# Altium PCB PCB2.PcbDoc (part 2 of 2)
Units mm, origin at the board's own origin, x right, y up, seen from the top; angles counter-clockwise.
Board outline 87 x 91.25 mm, 2 copper layers (Top Layer, Bottom Layer); 176 components, 129 nets, 578 pads, 189 vias.
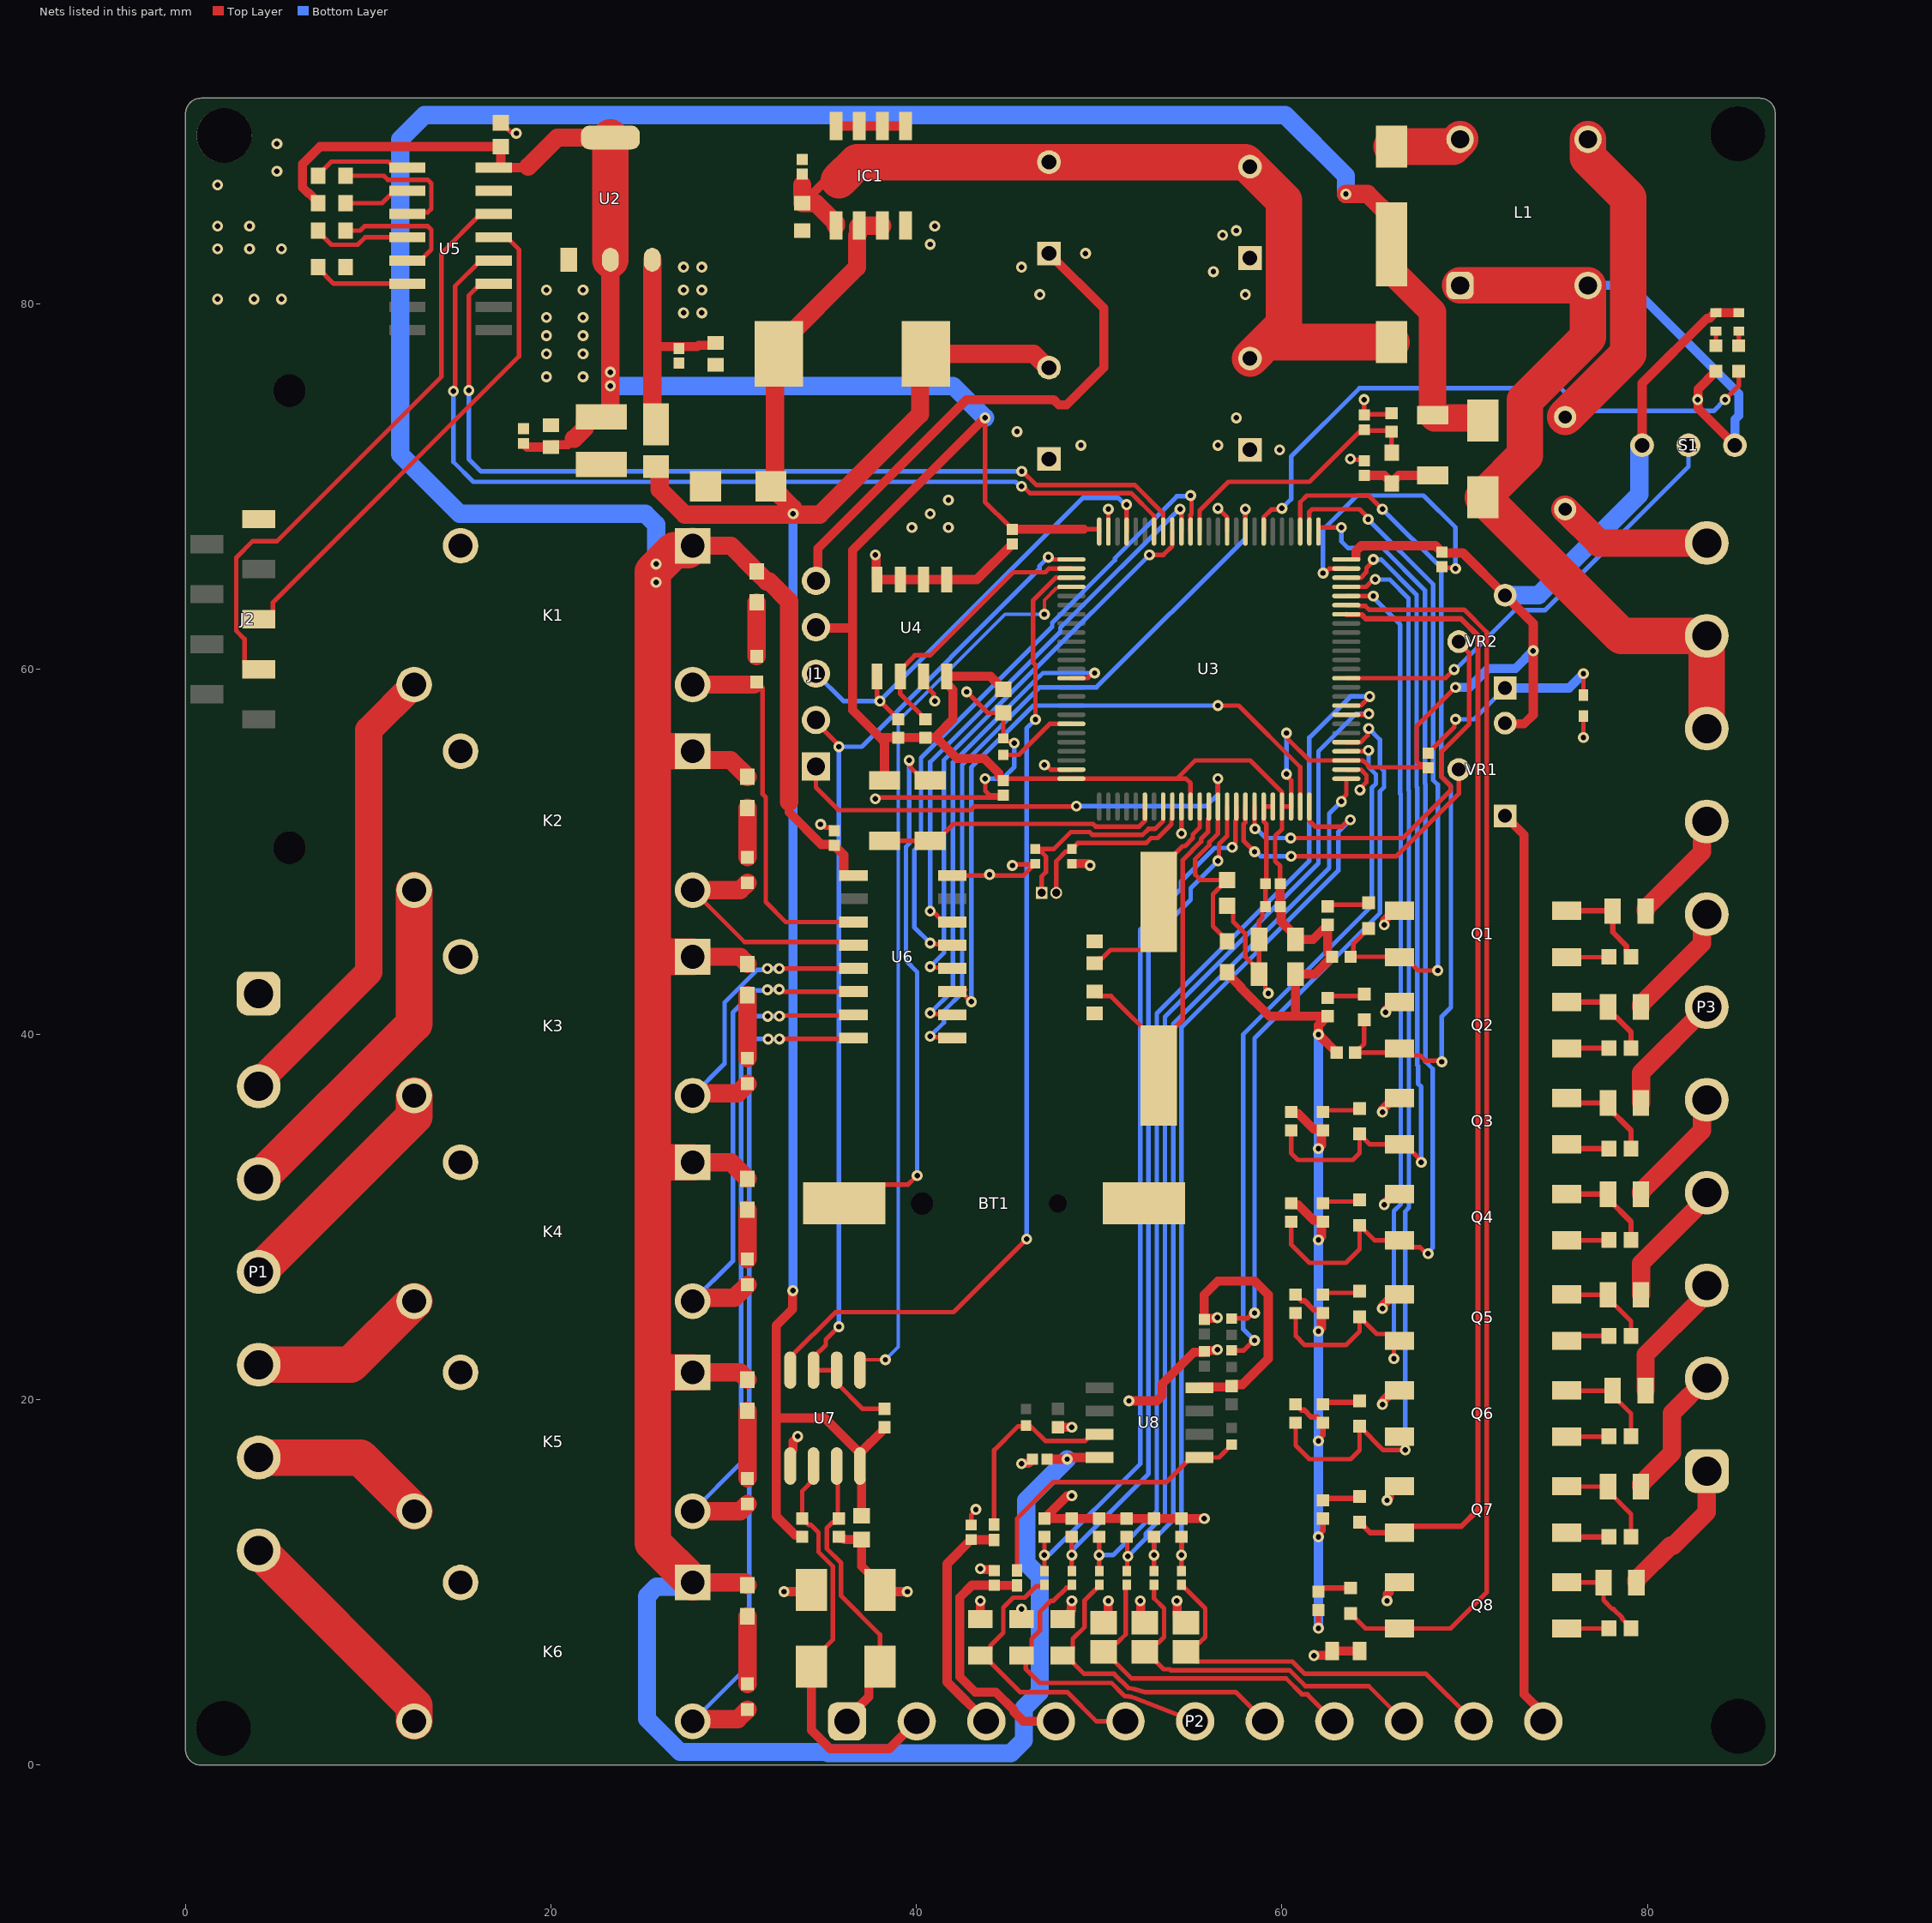
[diagram p2: the nets of this part, all layers, seen from the top]

## Via types
v1: diameter 0.6, hole 0.3, Top Layer to Bottom Layer, 142 vias
v2: diameter 0.6, hole 0.3, Top Layer to Bottom Layer, tented both sides, 47 vias

## Nets (pads, with @x,y where several pads share a name; then routed paths per layer and width w, separated by ;. In a path a pad name is that pad's centre, name@x,y a point inside that pad or via, vN(x,y) a via of type N, cw(c..) or ccw(c..) an arc to the next point about the centre after c; other vN are vias at no path point) (continued)
+3V3: C11.1 C12.1 C13.2 C17.2 C20.1 C21.1 C22.1 C23.1 C24.1 C25.1 C26.1 C30.2 D10.2 J1.4 R3.1 R4.1 R6.1 R8.1 R9.2 R12.1 R12.2 R50.2 R51.2 R52.2 R53.1 R54.1 R55.1 R62.2 R63.2 R64.2 R65.1 R66.1 R67.1 R72.2 R73.2 S1.2 U2.2 U2.4 U3.11 U3.21 U3.22 U3.28 U3.50 U3.75 U3.100 U4.8 U5.16 VR1.3 VR2.3 | length 274.7
  Top Layer w0.25: v1(43.75,73.75) 43.75,69.15 45.072,67.828 C24.1@45.25,67.65 ; C25.1@44.75,53.9 44.85,54 U3.100@48.475,54 54.25,54 ; 49.15,67.65 50,67.65 U3.75@50,67.525 ; U3.11@55,52.475 55,53.75 54.75,54 54.25,54 ; C20.1@59.9,48.25 59.9,49.216 59.625,49.491 59.625,50.858 60,51.233 U3.21@60,52.475 ; v1(60.25,54.25) 60.25,54.155 60.5,53.905 U3.22@60.5,52.475 U3.21@60,52.475 ; v1(60.25,56.5) 60.317,56.433 60.317,56.183 61.5,55 U3.28@63.525,55 64.401,55 64.451,54.95 64.498,54.95 64.823,54.625 67.975,54.625 C23.1@68,54.6 67.828,54.772 67.562,54.772 67.372,54.963 67.372,56.872 v1(69.5,59) ; U3.50@63.525,66 63.925,66 U3.50@64.05,66.125 ; 54.25,54 55.25,55 58.261,55 60,53.261 U3.21@60,52.475
  Top Layer w0.3: R67.1@60.75,19.754 60.754,19.754 61.078,19.429 61.231,19.429 61.593,19.067 61.926,19.067 R64.2@62.246,18.746 ; R66.1@60.75,25.754 60.754,25.754 61.078,25.429 61.231,25.429 61.731,24.929 62.067,24.929 R63.2@62.25,24.746 ; v2(62,7.5) R73.2@62,8.496 ; v2(62,12.5) 62,12.564 62.25,12.814 R72.2@62.25,13.496 ; v2(62,17.75) 62,17.818 62.246,18.064 R64.2@62.246,18.746 ; R64.2@62.25,18.746 R64.2@62.246,18.746
  Top Layer w0.5: C26.1@7.25,85.5 7.25,85.55 6.746,86.054 6.71,86.054 6.4,86.364 6.4,87.636 7.364,88.6 C30.2@17.25,88.6 17.25,87.474 U5.16@17.221,87.445 ; U5.16@16.862,87.445 U5.16@17.221,87.445 ; C12.1@18.5,72.35 18.7,72.15 C11.1@20,72.15 20.125,72.275 20.925,72.275 21.25,72.6 ; 18.75,87.5 18.695,87.445 U5.16@17.221,87.445 ; J1.4@34.5,62.29 34.54,62.25 36.5,62.25 ; D10.2@38.25,53.9 38.25,56 38.004,56.246 ; 41.079,56.329 42,57.25 42,58.857 ; 41.955,58.9 41.655,59.2 U4.8@41.655,59.6 44.05,59.6 44.55,59.1 44.55,59.075 44.725,58.9 C17.2@44.75,58.9 ; v1(43.75,73.75) 36.5,66.5 36.5,62.25 ; C25.1@44.75,53.9 44.5,54.15 44.5,54.311 43.711,55.1 42.226,55.1 41.079,56.246 R9.2@40.5,56.246 R8.1@39,56.246 38.004,56.246 ; C24.1@45.25,67.65 49.15,67.65 ; R6.1@57,43.4 57,43.35 57.75,42.6 57.75,42.554 59.307,40.996 60.75,40.996 ; C20.1@59.9,48.25 C21.1@59.9,47 59.953,46.947 59.953,46.187 60.75,45.39 R12.2@60.75,45.25 ; R65.1@60.5,30.754 60.583,30.671 60.881,30.671 61.723,29.829 62.167,29.829 R62.2@62.25,29.746 R62.2@62.306,29.691 ; R55.1@60.5,35.754 60.583,35.671 60.881,35.671 61.723,34.829 62.164,34.829 R52.2@62.306,34.687 ; R12.2@60.75,45.2 61.704,45.2 62.414,45.91 62.414,45.914 62.496,45.996 R50.2@62.5,45.996 62.5,44.5 62.746,44.254 R53.1@62.746,44.25 ; v2(62,23.75) 62,23.777 62.164,23.941 62.164,24.664 62.246,24.746 R63.2@62.25,24.746 ; v2(62,28.75) 62,28.777 62.164,28.941 62.164,29.664 62.191,29.691 R62.2@62.306,29.691 ; v2(62,33.75) 62,33.777 62.164,33.941 62.164,34.664 62.187,34.687 R52.2@62.306,34.687 ; v1(62,40) 62.996,39.004 R54.1@62.996,39 ; v1@62,40.027 62,40.5 R51.2@62.496,40.996 ; R62.2@62.309,29.691 R62.2@62.306,29.691 ; R52.2@62.313,34.687 R52.2@62.306,34.687 ; R51.2@62.5,40.996 R51.2@62.496,40.996 ; R53.1@62.746,44.246 61.8,43.3 R12.1@60.75,43.3 60.75,40.996 ; U3.50@64.05,66.125 64.05,66.457 64.343,66.75 68.4,66.75 C22.1@68.75,66.4 68.797,66.353 69.902,66.353 VR2.3@72.215,64.04 72.215,64.035 73.75,62.5 v1(73.75,61) 73.75,57.5 73.25,57 72.255,57 VR1.3@72.215,57.04 ; S1.2@79.71,72.25 79.71,75.646 83.264,79.2 83.4,79.2 83.7,79.5 R3.1@83.75,79.5 R4.1@85,79.5 ; 36.5,62.25 36.5,57.75 38.004,56.246 ; 60.75,40.996 R51.2@62.496,40.996
  Top Layer w1: 18.75,87.5 20.345,89.095 U2.4@23.25,89.095 ; 21.25,72.6 21.264,72.6 21.85,73.186 21.85,73.6 22.05,73.8 C13.2@22.75,73.8 23.05,73.8 23.25,74 v1(23.25,75.5) v1(23.25,76.25) U2.2@23.25,82.405
  Top Layer w2: U2.2@23.25,82.405 U2.4@23.25,89.095
  Bottom Layer w0.25: v1(60.25,54.25) v1(60.25,56.5)
  Bottom Layer w0.5: v2(62,7.5) v2(62,12.5) v2(62,17.75) v2(62,23.75) v2(62,28.75) v2(62,33.75) v1(62,40) ; v1(69.5,59) 70.255,59 71.29,60.035 72.785,60.035 v1(73.75,61) ; S1.2@79.557,72.097 S1.2@79.71,72.25
  Bottom Layer w1: v1(23.25,75.5) 42,75.5 v1(43.75,73.75) ; VR2.3@72.215,64.04 74.04,64.04 79.557,69.557 S1.2@79.557,72.097
+5V: C8.2 C32.1 D7.1 D8.2 IC1.2 IC1.3 L2.1 L2.2 R20.2 R75.2 U7.8 | length 116.5
  Top Layer w0.5: v2(33.233,25.976) 33.214,25.957 33.214,24.964 32.32,24.07 32.32,19 ; R20.2@33.75,12.496 33.667,12.579 33.369,12.579 32.32,13.628 32.32,19 ; C32.1@37,13.65 37,15.539 36.905,15.634 U7.8@36.905,16.375 U7.8@36.905,17.075 ; R75.2@38.25,18.496 38.246,18.496 38.164,18.414 38.164,18.334 U7.8@36.905,17.075 ; 32.32,19 34.98,19 U7.8@36.905,17.075
  Top Layer w1: D8.2@25.75,71.075 25.825,71.075 25.95,70.95 25.95,69.83 27.32,68.46 33.21,68.46 v2(33.25,68.5) ; D7.1@32.04,70 32.257,70.217 32.257,77.033 L2.1@32.475,77.25 32.475,77.725 36.75,82 36.75,83.733 36.795,83.778 36.795,84.205 IC1.2@36.865,84.275 IC1.3@38.135,84.275 ; D7.1@32.05,70 33.25,68.8 v2(33.25,68.5) ; C8.2@47.25,76.5 47.169,76.5 46.419,77.25 L2.2@40.525,77.25 40.2,76.925 40.2,73.95 34.71,68.46 33.29,68.46 v2(33.25,68.5)
  Bottom Layer w0.5: v2(33.233,25.976) 33.25,25.993 v2(33.25,68.5)
+5V_LDO: C9.1 C10.1 D8.1 U2.3 | length 12.7
  Top Layer w0.5: 25.54,77.75 25.64,77.65 28,77.65 28.075,77.725 28.875,77.725 C10.1@29,77.85
  Top Layer w1: U2.3@25.54,82.405 25.54,77.75 25.54,74.06 25.75,73.85 D8.1@25.75,73.4
+24V: C31.1 D1.2 D2.1 D3.1 D4.1 K1.1 K2.1 K3.1 K4.1 K5.1 K6.1 R13.2 R14.2 R15.2 R16.2 R17.2 R18.2 U6.9 U8.8 С1.2 | length 267.3
  Top Layer w0.5: 33.025,52.725 33.025,52.164 34.792,50.397 C31.1@35.353,50.397 ; C31.1@35.447,50.397 C31.1@35.353,50.397 ; C31.1@35.45,50.3 C31.1@35.353,50.397 ; C31.1@35.5,50.35 35.553,50.297 36.025,49.825 36.025,48.745 36.075,48.695 U6.9@36.55,48.695 ; С1.2@47.15,16.75 v1(48.25,16.75) 48.277,16.75 48.372,16.845 U8.8@50.01,16.845
  Top Layer w1: K6.1@27.75,10 30.6,10 R18.2@30.75,9.85 ; K5.1@27.75,21.5 30.35,21.5 R17.2@30.75,21.1 ; K4.1@27.75,33 29.85,33 R16.2@30.75,32.1 ; K3.1@27.75,44.25 30.35,44.25 R15.2@30.75,43.85 ; K2.1@27.75,55.5 28.225,55.025 29.825,55.025 R14.2@30.75,54.1 ; K1.1@27.75,66.75 29.85,66.75 R13.2@31.25,65.35 31.8,64.8 31.94,64.8 33.025,63.715 33.025,52.725 ; v1(63.5,86) 64.7,86 66,84.7 D2.1@66,84.4
  Top Layer w1.5: D1.2@66,81.8 68.25,79.55 D4.1@68.25,73.9 68.25,73.85 68.35,73.75 70.9,73.75 71,73.65 D3.1@71,73.6 ; D1.2@66,82.1 D2.1@66,84.4
  Top Layer w2: K6.1@27.75,10 25.575,12.175 25.575,21.75 ; K5.1@27.75,21.5 25.825,21.5 25.575,21.75 ; K4.1@27.75,33 25.825,33 25.575,32.75 ; K3.1@27.75,44.25 25.825,44.25 25.575,44 ; K2.1@27.75,55.5 25.575,55.5 ; K1.1@27.75,66.75 27.5,66.5 26.747,66.5 25.575,65.328 25.575,55.5 ; 25.575,21.75 25.575,32.75 ; 25.575,32.75 25.575,44 ; 25.575,44 25.575,55.5
  Bottom Layer w1: v1(25.75,64.75) v1(25.75,65.75) 25.75,67.914 25.164,68.5 15,68.5 11.75,71.75 11.75,89 13.075,90.325 60.175,90.325 63.5,87 v1(63.5,86) ; K6.1@27.75,10 27.525,9.775 25.775,9.775 25.25,9.25 25.25,2.531 27.056,0.725 35.093,0.725 35.168,0.65 45.164,0.65 45.88,1.366 45.88,3.125 46.75,3.995 46.75,10.336 46,11.086 46,14.5 v1(48.25,16.75)
+24VDD: C1.2 C4.2 C5.2 C6.1 C7.1 D1.1 IC1.1 | length 48.4
  Top Layer w0.5: C6.1@33.75,85.5 33.8,85.5 35.05,86.75 35.75,86.75 ; 33.75,86.5 C7.1@33.75,87.1
  Top Layer w1: 33.75,86.5 C6.1@33.75,85.5 34.495,85.5 35.595,84.4 IC1.1@35.595,84.275
  Top Layer w2: 35.75,86.75 36.75,87.75 C1.2@47.25,87.75 58,87.75 C4.2@58.25,87.5 60.1,85.65 60.1,78.85 59.25,78 ; C5.2@58.25,77 59.25,78 ; D1.1@66,77.9 59.35,77.9 59.25,78
A+: D18.2 P2.2 R20.1 U7.6 | length 22.8
  Top Layer w0.25: D18.2@34.25,5.4 34.25,5.7 35.425,6.875 35.425,10.885 34.639,11.671 34.639,12.736 34.221,13.154 34.103,13.154 33.754,13.504 R20.1@33.75,13.504 33.75,15 34.365,15.615 U7.6@34.365,16.375
  Top Layer w0.5: D18.2@34.25,5.4 34.25,1.921 35.271,0.9 38.51,0.9 P2.2@40.01,2.4
AD0: C39.2 P2.10 R43.1 | length 22.1
  Top Layer w0.25: R43.1@54.5,9.874 54.5,9.861 54.611,9.75 54.635,9.75 55.8,8.585 55.8,7.015 55.51,6.725 55.275,6.725 C39.2@54.75,6.2 55.275,5.675 60.575,5.675 61.25,5 67.89,5 P2.10@70.49,2.4
AD1: C37.2 P2.9 R40.1 | length 20.2
  Top Layer w0.25: R40.1@53,9.874 53,9.135 53.55,8.585 53.55,7.015 53.26,6.725 53.025,6.725 C37.2@52.5,6.2 52.575,6.2 53.525,5.25 53.865,5.25 53.915,5.2 60.414,5.2 61.286,4.327 64.753,4.327 P2.9@66.68,2.4
AD2: C35.2 P2.8 R35.1 | length 18.5
  Top Layer w0.25: R35.1@51.5,9.874 51.45,9.824 51.45,7.165 51.01,6.725 50.775,6.725 C35.2@50.25,6.2 50.325,6.2 51.775,4.75 60.227,4.75 61.1,3.877 61.393,3.877 P2.8@62.87,2.4
AD3: P2.7 R31.1 R32.2 | length 17.1
  Top Layer w0.25: R32.2@48,6 R32.2@48.175,6 ; R31.1@50,9.874 50,9.83 49.2,9.03 49.2,7.565 48.55,6.915 48.55,6.375 R32.2@48.175,6 ; P2.7@59.06,2.4 57.46,4 52.497,4 51.93,4.158 ccw(c51.44,2.4) 51.595,4.218 50.814,5 49.175,5 R32.2@48.175,6
AD4: P2.6 R26.1 R27.2 | length 16.1
  Top Layer w0.25: R27.2@45.75,6 45.925,6 46.3,6.375 46.3,6.915 46.75,7.365 46.75,8.385 47.365,9 47.5,9 48.219,9.719 48.389,9.719 48.5,9.83 R26.1@48.5,9.874 ; R27.2@45.838,5.913 45.979,5.771 45.979,5.271 46.75,4.5 50.677,4.5 51.33,3.847 51.403,3.774 cw(c51.44,2.4) 51.936,3.682 P2.6@55.25,2.4
AD5: P2.5 R22.1 R23.2 | length 15.3
  Top Layer w0.25: R23.2@43.5,6 R23.2@43.675,6 ; R22.1@47,9.874 46.915,9.789 46.539,9.789 46.111,9.361 46.111,9.359 45.921,9.169 45.284,9.169 44.75,8.635 44.75,7.25 44.05,6.55 44.05,6.375 R23.2@43.675,6 ; P2.5@51.44,2.4 49.85,2.4 48.25,4 45.675,4 R23.2@43.675,6
B-: D17.2 P2.1 R19.1 U7.7 | length 16.3
  Top Layer w0.25: U7.7@35.635,16.375 35.693,16.318 35.693,13.561 R19.1@35.75,13.504 35.542,13.296 35.421,13.296 35.089,12.964 35.089,11.857 35.875,11.071 35.875,9.265 38,7.14 D17.2@38,5.4
  Top Layer w0.5: P2.1@36.2,2.4 36.2,2.549 37.4,3.749 37.4,4.8 D17.2@38,5.4
COM: K1.4 K2.4 K3.4 K4.4 K5.4 K6.4 P1.1
DA0: C33.1 P2.4 R24.1 | length 14.1
  Top Layer w0.5: R24.1@45.5,9.834 45.492,9.842 44.258,9.842 C33.1@44.25,9.85 43.038,9.85 42.375,9.186 42.375,4.835 43.21,4 44.341,4 45.32,3.021 45.32,2.93 45.85,2.4 P2.4@47.63,2.4
DA1: C36.2 P2.3 R36.1 | length 12.6
  Top Layer w0.5: C36.2@43,12.35 42.947,12.297 41.675,11.025 41.675,4.545 P2.3@43.82,2.4 ; C36.2@43,12.35 43.008,12.342 44.242,12.342 R36.1@44.25,12.334
GND: BT1.1 C1.1 C2.2 C3.2 C4.1 C5.1 C6.2 C7.2 C8.1 C9.2 C10.2 C11.2 C12.2 C13.1 C14.2 C15.2 C16.2 C17.1 C18.2 C19.2 C20.2 C21.2 C22.2 C23.2 C24.2 C25.2 C29.2 C30.1 C31.2 C32.2 C33.2 C34.2 C35.1 C36.1 C37.1 C38.2 C39.1 D3.2 D5.1 D7.2 D17.1 D18.1 IC1.4 IC1.5 IC1.6 IC1.7 IC1.8 J1.5 J2.5 L1.1 L1.4 P2.11 P3.9 P3.10 pad.MH@2.11,89.206 Q1.3 Q2.3 Q3.3 Q4.3 Q5.3 Q6.3 Q7.3 Q8.3 R2.1 R5.1 R5.2 R7.1 R7.2 R10.2 R11.1 R11.2 R19.2 R21.2 R23.1 R25.2 R27.1 R29.1 R30.2 R32.1 R34.1 R38.1 R39.2 R42.2 S1.3 U2.1 U3.10 U3.19 U3.20 U3.27 U3.49 U3.61 U3.74 U3.99 U4.1 U4.2 U4.3 U4.4 U4.7 U5.15 U6.8 U7.5 U8.4 VR1.1 VR2.1 С1.1 | length 299.3
  Top Layer w0.25: C30.1@17.25,89.9 17.275,89.9 17.783,89.392 18.033,89.392 v1(18.1,89.325) ; v1(34.75,51.5) 34.845,51.5 35.017,51.328 35.322,51.328 C31.2@35.5,51.15 ; v1(37.75,52.9) 37.817,52.967 44.617,52.967 C25.2@44.75,53.1 43.995,53.1 43.77,53.325 43.77,53.98 v1(43.75,54) ; U4.7@40.385,59.6 40.385,59.2 40.933,58.652 40.933,58.317 v1(41,58.25) ; U6.8@41.95,48.695 v1@43.945,48.695 ; v1(42.75,58.75) 43.9,57.6 C17.1@44.75,57.6 R10.2@44.75,56.2 44.9,56.05 45.161,56.05 45.259,55.951 v1(45.354,55.951) ; C36.1@43,13.15 43,13.692 43.25,13.942 v2(43.25,14) ; v1(44,48.75) v1@43.945,48.695 ; v1(45.25,49.25) 45.3,49.3 46.45,49.3 C15.2@46.5,49.35 45.845,48.695 v1@43.945,48.695 ; v1(47,54.75) 47.095,54.75 47.345,54.5 U3.99@48.475,54.5 ; U3.74@50.5,67.525 50.5,68.175 v1(50.5,68.75) ; v1(54.5,51) U3.10@54.5,52.475 ; v1(56.5,68.8) 56.511,68.8 57,68.311 U3.61@57,67.525 ; C14.2@57,47.05 57.325,46.725 57.325,46.175 58,45.5 58,44.24 R11.1@58.75,43.49 ; v2(59.25,42.25) 59.25,42.345 59.085,42.51 59.085,42.965 R11.1@58.75,43.3 R11.1@58.75,43.49 ; U3.20@59.5,52.475 U3.19@59,52.475 59,51.659 59.15,51.509 59.15,48.3 C20.2@59.1,48.25 C21.2@59.1,47 58.922,46.822 58.922,46.397 58.75,46.225 R11.2@58.75,45.2 R11.1@58.75,43.49 ; v1(62.25,65.25) 62.345,65.25 62.595,65.5 U3.49@63.525,65.5 ; U3.27@63.525,54.5 64.311,54.5 64.625,54.186 64.625,53.814 64.268,53.456 v1(64.268,53.382) ; v2(63.75,71.5) 63.8,71.45 64.45,71.45 C2.2@64.5,71.4 ; v2(64.5,74.75) C3.2@64.5,73.9 64.551,73.952 65.949,73.952 R2.1@66,74.003 ; C23.2@68,55.4 69.433,56.833 69.433,57.183 v1(69.5,57.25) ; C22.2@68.75,65.6 68.8,65.55 69.45,65.55 v1(69.5,65.5) ; v1(76.5,56.25) R7.1@76.5,57.425 ; R7.2@76.5,58.575 v1(76.5,59.75)
  Top Layer w0.5: v1(32.75,9.5) 34.15,9.5 D18.1@34.25,9.6 ; U7.5@33.095,16.375 33.095,17.116 33.25,17.271 33.25,17.723 33.5,17.973 v1(33.5,18) ; J1.5@34.5,64.83 34.605,64.935 34.605,66.605 42.75,74.75 47.5,74.75 47.793,74.457 48.207,74.457 50.25,76.5 50.25,79.75 C1.1@47.25,82.75 ; IC1.8@35.595,89.725 IC1.7@36.865,89.725 IC1.6@38.135,89.725 IC1.5@39.405,89.725 IC1.5@39.5,89.725 ; R19.2@35.75,12.496 35.833,12.414 36.002,12.414 36.065,12.35 C32.2@37,12.35 37,10.9 38,9.9 D17.1@38,9.6 38.1,9.5 v1(39.5,9.5) ; v1(37.75,66.25) 37.75,66.223 37.795,66.178 37.795,64.95 U4.4@37.845,64.9 U4.3@39.115,64.9 U4.2@40.385,64.9 U4.1@41.655,64.9 43.3,64.9 C24.2@45.25,66.85 ; R23.1@43.5,8 v1(43.5,9) ; v2(43.5,10.75) 43.527,10.75 43.574,10.703 44.197,10.703 C33.2@44.25,10.65 ; R27.1@45.75,8 v1(45.75,8.544) ; v2(45.75,16.5) 45.769,16.519 46.119,16.519 С1.1@46.297,16.697 ; С1.1@46.297,16.697 С1.1@46.35,16.75 ; R38.1@47.75,18.496 47.752,18.498 48.498,18.498 v2(48.5,18.5) ; R32.1@48,8 48.175,8 48.425,8.25 48.425,8.425 48.481,8.481 48.481,8.981 v1(48.5,9) ; v1(48.5,14.75) 48.481,14.731 48.231,14.731 47.004,13.504 R21.2@47,13.504 R25.2@48.5,13.504 R30.2@50,13.504 R34.1@51.5,13.504 R39.2@53,13.504 R42.2@54.5,13.504 54.502,13.502 55.748,13.502 v1(55.75,13.5) ; C16.2@48.5,49.35 49.373,49.35 49.473,49.25 v1(49.5,49.25) ; C35.1@50.25,7.8 50.481,8.031 50.481,8.981 v1(50.5,9) ; v2(51.625,19.942) 53.148,19.942 53.441,20.235 53.441,20.868 55.176,22.603 55.703,22.603 55.803,22.703 56.39,22.703 56.437,22.75 v1(56.464,22.75) ; v1(52.25,9) 52.269,8.981 52.269,8.031 C37.1@52.5,7.8 ; v1(54.25,9) 54.269,8.981 54.269,8.281 54.275,8.275 54.275,8.2 54.675,7.8 C39.1@54.75,7.8 ; U8.4@55.49,20.655 55.539,20.704 57.201,20.704 57.333,20.836 57.836,20.836 59.25,22.25 59.25,25.75 58.5,26.5 56.5,26.5 55.75,25.75 C38.2@55.75,24.4 55.803,24.453 56.39,24.453 56.437,24.5 v1(56.464,24.5) ; v2(61.75,6) 61.769,6.019 62.625,6.019 62.75,6.144 R5.1@62.75,6.25 R5.2@64.25,6.25 ; v2(65.5,19.75) 65.519,19.769 65.519,19.914 66.125,20.52 Q6.3@66.425,20.52 ; v2(65.5,25) 65.519,25.019 65.519,25.164 66.125,25.77 Q5.3@66.425,25.77 ; v2(65.5,35.75) 65.519,35.769 65.519,35.914 66.125,36.52 Q3.3@66.425,36.52 ; v2(65.598,30.684) 65.618,30.703 65.618,30.763 66.125,31.27 Q4.3@66.425,31.27 ; v2(65.6,46) 65.619,46.019 65.619,46.264 66.125,46.77 Q1.3@66.425,46.77 ; v2(65.675,41.22) 65.694,41.239 65.694,41.339 66.125,41.77 Q2.3@66.425,41.77 ; v2(65.75,9) 65.769,9.019 65.769,9.364 65.875,9.47 65.875,9.77 66.125,10.02 Q8.3@66.425,10.02 ; v2(65.75,14.5) 65.75,14.527 65.875,14.652 65.875,15.02 66.125,15.27 Q7.3@66.425,15.27 ; VR1.1@72.215,51.96 73.25,50.925 73.25,47 73.25,3.883 74.3,2.833 P2.11@74.3,2.4 ; D5.1@83.75,76.3 82.769,75.319 82.769,74.769 v2(82.75,74.75) 82.769,74.731 82.769,74.271 S1.3@84.79,72.25
  Top Layer w2: L1.1@69.75,81 L1.4@76.75,81 76.75,78.161 73.3,74.711 73.3,71.7 D3.2@71.15,69.55 ; D3.2@71,69.4 71.3,69.1 78.58,61.82 P3.10@83.25,61.82 P3.9@83.25,56.74
  Bottom Layer w0.25: v1(43.75,54) 44.704,54 45.354,54.651 v1(45.354,55.951) ; v1(62.25,65.25) 62.25,67.634 64.116,69.5 67.75,69.5 69.5,67.75 v1(69.5,65.5) ; v1(69.5,57.25) 70.505,57.25 VR2.1@72.215,58.96
  Bottom Layer w0.5: VR2.1@72.215,58.96 75.71,58.96 v1(76.5,59.75) ; L1.4@76.75,81 79.061,81 85,75.061 85,73.869 84.79,73.659 S1.3@84.79,72.25
  other v1: 39.75,67.75 41.75,67.75 40.75,68.5 41.75,69.25 59.875,72 49,72.25 56.5,72.25 45.5,73 57.5,73.75 19.75,76 21.75,76 19.75,77.25 21.75,77.25 19.75,78.25 21.75,78.25 19.75,79.25 21.75,79.25 27.25,79.5 28.25,79.5 1.75,80.25 3.75,80.25 5.25,80.25 46.75,80.5 58,80.5 19.75,80.75 21.75,80.75 27.25,80.75 28.25,80.75 56.25,81.75 27.25,82 28.25,82 45.75,82 49.25,82.75 1.75,83 3.5,83 5.25,83 40.75,83.25 56.75,83.75 57.5,84 1.75,84.25 3.5,84.25 41,84.25 1.75,86.5 5,87.25 5,88.75
NetBT1_2: BT1.2 D9.2 | length 29.4
  Top Layer w0.25: BT1.2@36.05,30.75 37.075,31.775 39.525,31.775 v1@40,32.25 ; v1(39.6,55) 39.667,54.933 39.667,54.633 40.4,53.9 D9.2@40.75,53.9
  Bottom Layer w0.25: v1(39.6,55) 39.6,50.443 39.425,50.268 39.425,44.03 40.038,43.417 v1(40.038,32.273)
NetC3_1: C3.1 R1.1 R2.2 U3.64 | length 14.9